# Altium PCB testjig-v1.PCBDOC (part 1 of 3) (continued)
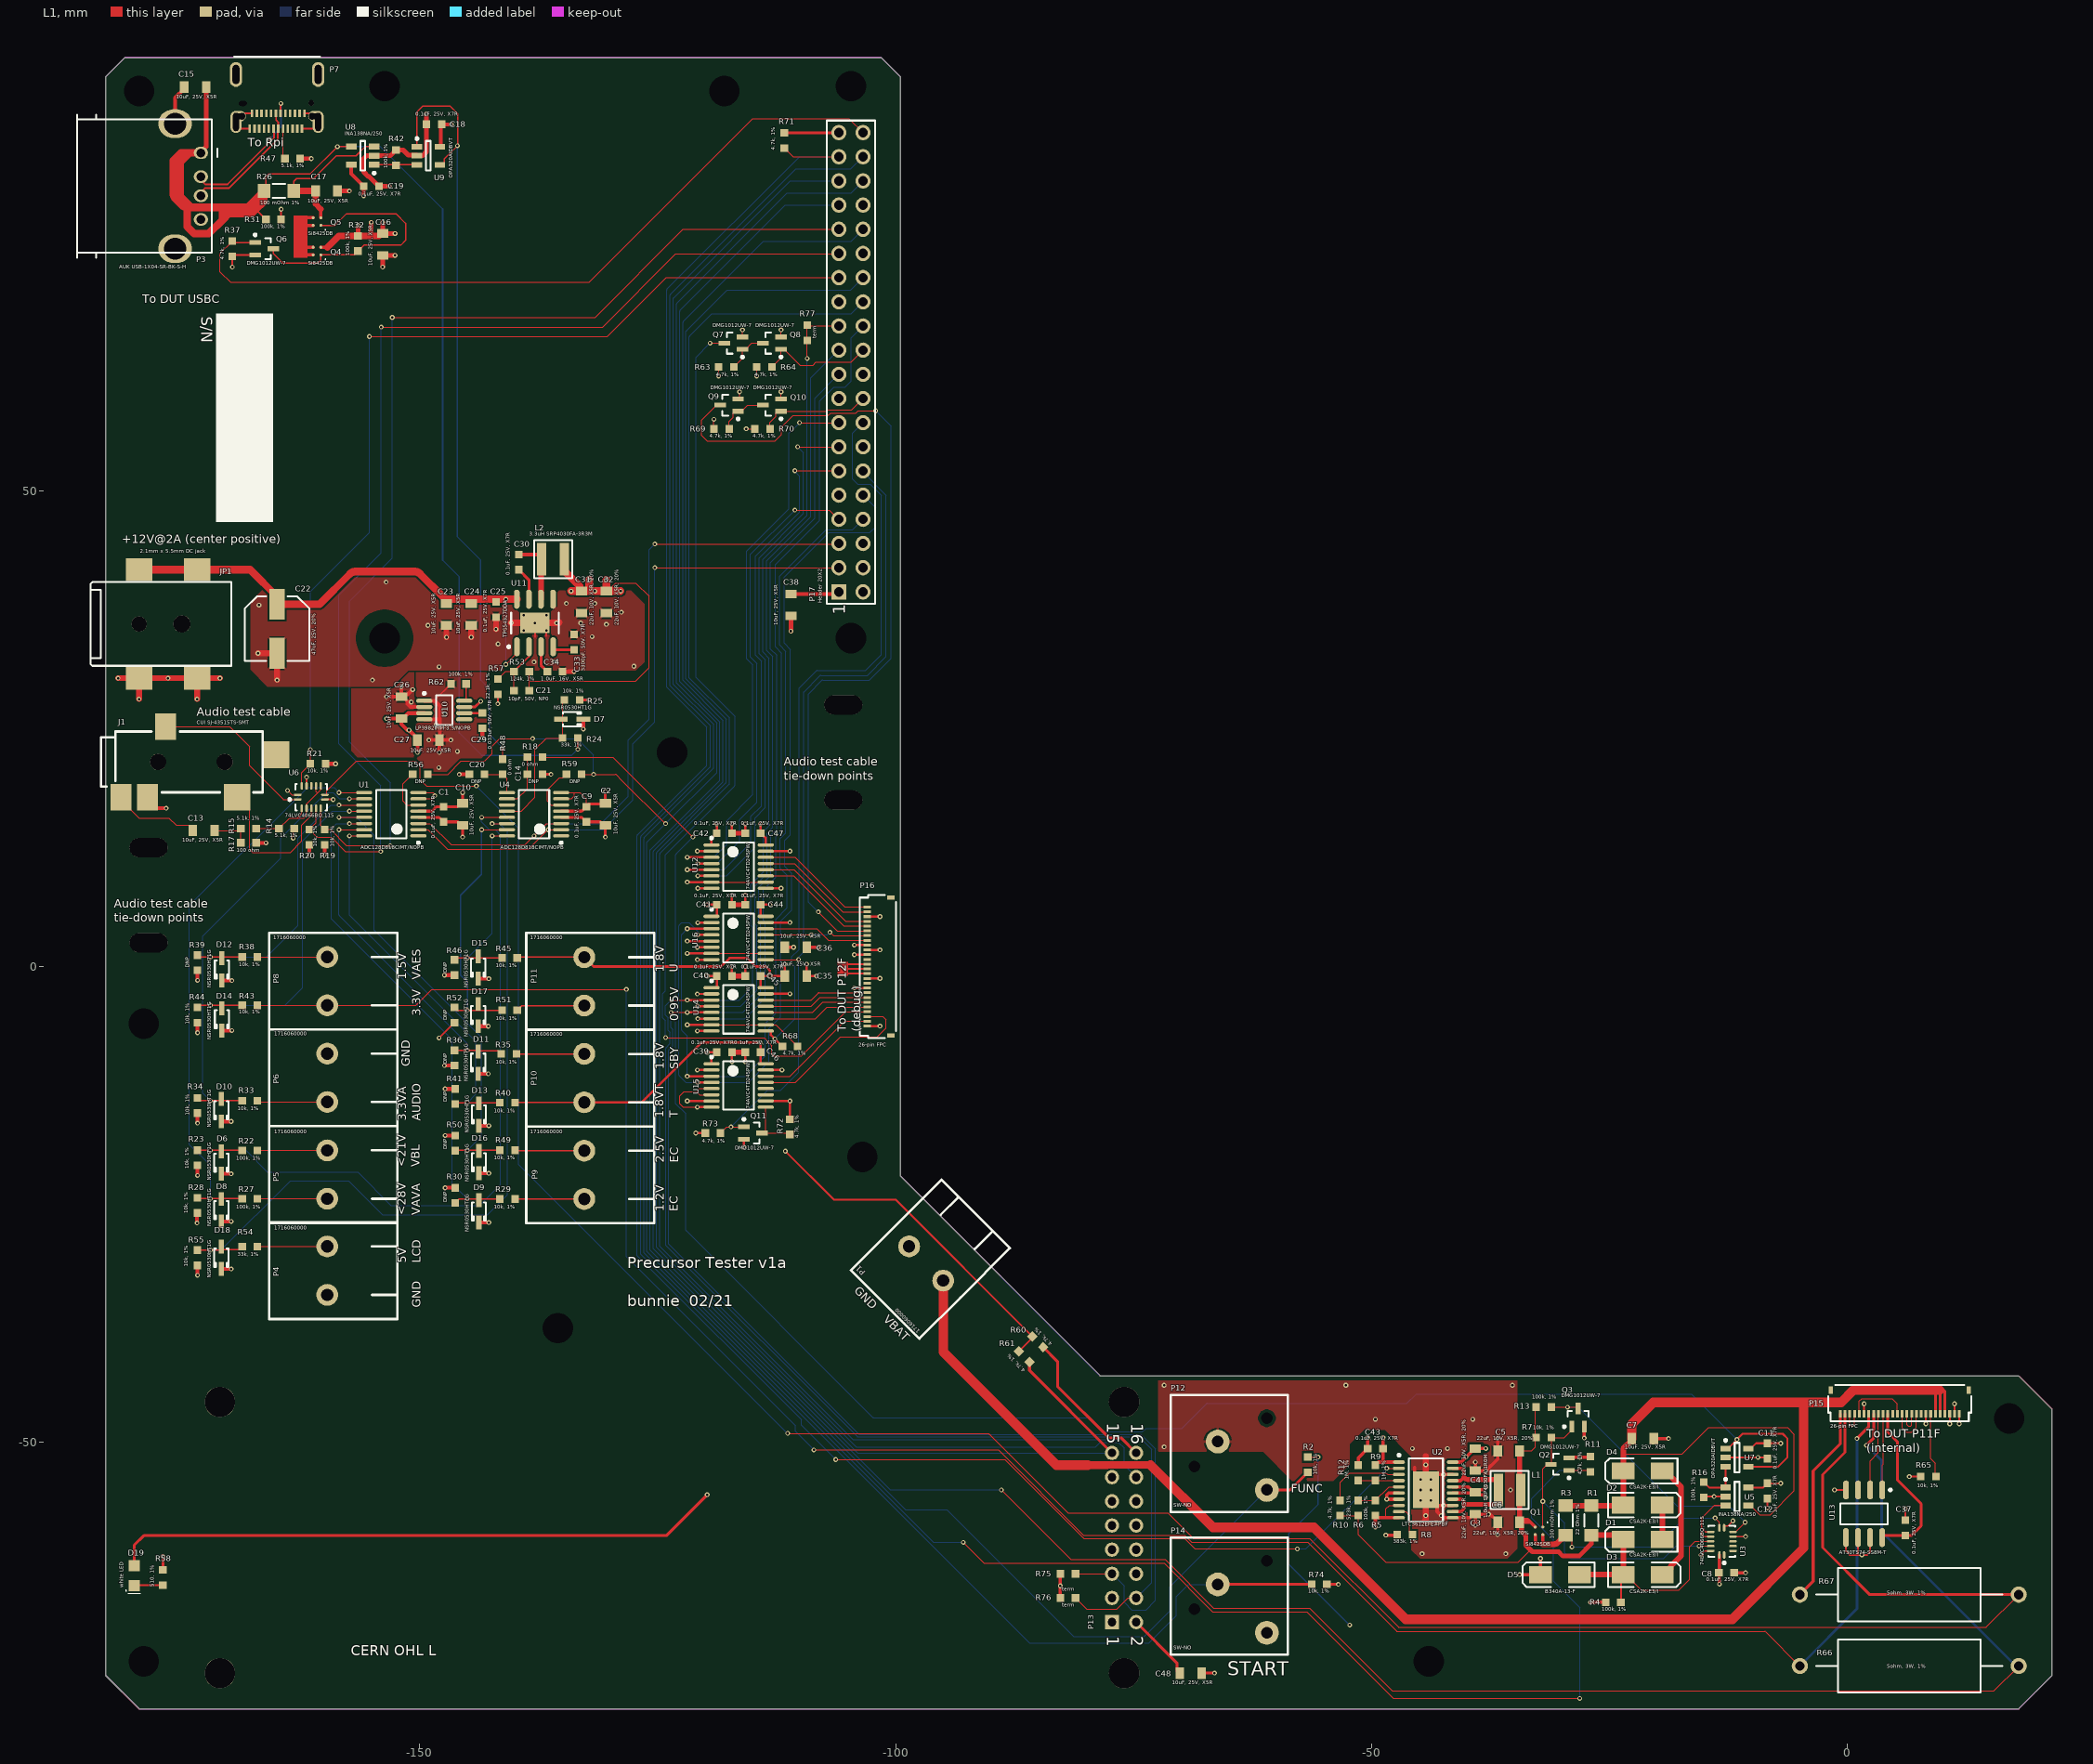
[diagram p0: L1 view]
## Components (designator, comment, footprint, x,y, rotation, side; value= is the part's Value field where it differs from the comment) (continued)
R62 "100k, 1%" B_RES0603 -145.93,29.7 r180 top
R63 "4.7k, 1%" B_RES0603 -117.8,63 r180 top
R64 "4.7k, 1%" B_RES0603 -113.8,63 r180 top
R65 "10k, 1%" B_RES0603 8.5,-53.6 r0 top
R66 "5ohm, 3W, 1%" OHMITE_43_3W -5,-73.5 r0 top
R67 "5ohm, 3W, 1%" OHMITE_43_3W -5,-66 r0 top
R68 "4.7k, 1%" B_RES0603 -111.1,-8.4 r0 top
R69 "4.7k, 1%" B_RES0603 -118.3,56.5 r180 top
R70 "4.7k, 1%" B_RES0603 -114,56.5 r180 top
R71 "4.7k, 1%" B_RES0603 -111.7,86.8 r270 top
R72 "4.7k, 1%" B_RES0603 -111.125,-16.85 r90 top
R73 "4.7k, 1%" B_RES0603 -119.2,-17.5 r180 top
R74 "10k, 1%" B_RES0603 -55.5,-64.92 r0 top
R75 "DNP" B_RES0603 -81.9,-63.81 r0 top
R76 "DNP" B_RES0603 -81.9,-66.35 r0 top
R77 "DNP" B_RES0603 -109.3,66.6 r90 top
U1 "ADC128D818CIMT/NOPB" MTC16_N -153,16 r180 top
U2 "LTC3612EFE#PBF" LT-FE-20-EPV-CB_L -44.3,-55 r0 top
U3 "74LVC4066BQ,115" NXP_DHVQFN14 -13.2,-60.4 r180 top
U4 "ADC128D818CIMT/NOPB" MTC16_N -138,16 r180 top
U5 "INA138NA/250" SOT23-5AN -11.6,-55.7 r0 top
U6 "74LVC4066BQ,115" NXP_DHVQFN14 -161.4,17.8 r90 top
U7 "OPA320AIDBVT" TI-DBV5_N -11.6,-51.6 r0 top
U8 "INA138NA/250" SOT23-5AN -156,85.2 r180 top
U9 "OPA320AIDBVT" TI-DBV5_N -149.1,85.2 r0 top
U10 "LP3982IMM-3.3/NOPB" MUA08A_N -147.43,26.95 r0 top
U11 "TPS54327DDA" SOIC127P600-8DN -137.9,36.1 r90 top
U12 "74AVC4TD245PW" TSOP65P640-16AN -116.5,10.5 r0 top
U13 "AT30TS74-SS8M-T" SOIC127P600-8AN 1.75,-57.5 r270 top
U14 "74AVC4TD245PW" TSOP65P640-16AN -116.5,-4.5 r0 top
U15 "74AVC4TD245PW" TSOP65P640-16AN -116.5,-12.5 r0 top
U16 "74AVC4TD245PW" TSOP65P640-16AN -116.5,3 r0 top

## Footprints (in the part's own frame and the unit in brackets; to place one, negate y for a bottom-side part, rotate by r counter-clockwise, add the part's x,y. Pads: shape width x height; smd on the part's side, far side on the other; paste and mask are expansions set on the pad)
B_CAP0603 [mm] "Capacitor 0603"
  rect 0.8x0.8 smd mask+0.07: 1(-0.8,0) 2(0.8,0)
  body extent -0.85,-0.45 0.85,0.45, height 0.9
B_CAP0805 [mm] "Capacitor 0805"
  rect 0.9x1.2 smd: 1(-1.15,0) 2(1.15,0)
  body extent -1.1,-0.7 1.1,0.7, height 0.6
B_LED0805 [mm] "Molded Diode, 2-Leads, Body 2.00x1.25mm, IPC Medium Density"
  rect 1.2x1.2 smd mask+0.07: 1(1.05,0) 2(-1.05,0)
  silkscreen extent -1.85,-0.65 -1.53,0.92, body extent -1,-0.63 1,0.63, height 0.8
B_RES0603 [mm] "Resistor 0603"
  rect 0.8x0.8 smd mask+0.07: 1(-0.8,0) 2(0.8,0)
  body extent -0.85,-0.45 0.85,0.45, height 0.9
B_RES1206 [mm]
  rect 1.3x1.5 smd mask+0.07: 1(-1.55,0) 2(1.55,0)
  silkscreen extent -0.67,-0.72 0.67,0.72, body extent -1.6,-0.8 1.6,0.8, height 0.6
CAPAE7066X61N [mm] "Aluminum Electrolytic Capacitor, Body 6.3mm dia, 5.8mm height, IPC Medium Density"
  rect 3.25x1.65 smd: 1(-2.575,0) 2(2.575,0)
  silkscreen extent -3.4,-3.4 3.4,3.4, body extent -3.4,-3.4 3.4,3.4, height 6.1
CK_KS11R22CQD [mm] "CK_PUSH_SPST_NO"
  round 1 hole 1.22 unplated mask+0.5: 0(-7.62,2.46) 0(0,7.54)
  round 2.5 hole 1.22 mask+0.5: 1(0,0) 3(-5.16,5.08)
  silkscreen extent -10.11,-2.32 2.19,9.98, body extent -10.1,-2.3 2.2,10, height 9.86
COILCRAFT_XEL4030 [mm] "Coilcraft XEL4030"
  rect 0.98x3.4 smd: 1(-1.185,0) 2(1.185,0)
  silkscreen extent -2,-2 2,2, body extent -2,-2 2,2, height 3.1
CUI_PJ_002AH_SMT [mm] "SMT 2.1mmx5.5mm ID (P-5) connector"
  round 1.6 hole 1.6 unplated: 0(-4.5,0)
  round 1.8 hole 1.8 unplated: 0(0,0)
  rect 2.8x2.4 smd: 1(-4.5,5.7) 1(1.6,5.7) 2(-4.5,-5.7) 3(1.6,-5.7)
  silkscreen extent -9.6,-4.4 5.2,4.4, body extent -9.5,-6.3 5.3,6.3, height 11.19
CUI_SJ_43515TS-SMT [mm] "stereo audio jack plus video, SMT with switch"
  round 1.7 hole 1.7 unplated: 0(-7,0) 0(0,0)
  rect 2.8x2.8 smd: 1(-8.3,3.7) 2(-12.4,-0.75)
  rect 2.2x2.8 smd: 3(-0.8,-3.7) 4(3.9,3.7) 5(1.1,3.7)
  silkscreen extent -11,-3.2 6,3.2, body extent -13,-4.5 6.2,4.5, height 5.1
DSO-C2/X1.8 [mm] "DO-214-AC/SMA; 2 C-Bend Leads; Body 5 x 2.7 mm, inc. leads (LxW)"
  rect 2.4x1.8 smd: 1(-2.05,0) 2(2.05,0)
  silkscreen extent -3.65,-1.3 3.95,1.3
ER_OLED_M032_1 [mm] "OLED module, direct board mount"
  round 3.2 hole 3.2 mask+0.5: 0(-95,14.25) 0(-95,-14.25) 0(0,-14.25) 0(0,14.25)
  rect 1.5x1.5 hole 0.9: 1(-1.27,-8.89)
  round 1.5 hole 0.9: 2(1.27,-8.89) 3(-1.27,-6.35) 4(1.27,-6.35) 5(-1.27,-3.81) 6(1.27,-3.81) 7(-1.27,-1.27) 8(1.27,-1.27) 9(-1.27,1.27) 10(1.27,1.27) 11(-1.27,3.81) 12(1.27,3.81) 13(-1.27,6.35) 14(1.27,6.35) 15(-1.27,8.89) 16(1.27,8.89)
  body extent -97.49,-16.99 3.01,16.51, height 15
HIROSE_CX90B1-24P [mm] "USB Type C Top-mount Right Angle Double-Row SMT"
  oval 1.2x2.3 hole 0.6 slot 1.9 at 90 deg mask+0.07: 0(-4.32,2) 0(4.32,2)
  oval 1.3x2.6 hole 0.7 slot 2 at 90 deg mask+0.07: 0(-4.32,-2.985) 0(4.32,-2.985)
  rect 0.5x1.1 all layers, no hole mask+0.07: 0(-4.1,1.4) 0(4.1,1.4)
  round 0 hole 0.6 square mask+0.07: 0(-4,1.4) 0(4,1.4)
  round 1.1 all layers, no hole mask+0.07: 0(-3.82,1.4) 0(3.82,1.4)
  round 0 hole 0.6 slot 0.7 at 90 deg mask+0.07: 0(-3.67,1.4) 0(3.67,1.4)
  rect 0.27x0.9 smd mask+0.07: A1(-2.625,2.7) A2(-2.125,2.7) A3(-1.625,2.7) A4(-1.125,2.7) A5(-0.625,2.7) A6(-0.125,2.7) A7(0.375,2.7) A8(0.875,2.7) A9(1.375,2.7) A10(1.875,2.7) A11(2.375,2.7) A12(2.875,2.7)
  rect 0.27x0.8 smd mask+0.07: B1(2.625,1.1) B2(2.125,1.1) B3(1.625,1.1) B4(1.125,1.1) B5(0.625,1.1) B6(0.125,1.1) B7(-0.375,1.1) B8(-0.875,1.1) B9(-1.375,1.1) B10(-1.875,1.1) B11(-2.375,1.1) B12(-2.875,1.1)
  round 0.55 hole 0.6 unplated mask+0.07: P(-3.6,0)
  oval 0.8x0.45 hole 0.5 slot 0.85 at 0 deg unplated mask+0.07: P(3.6,0.065)
  silkscreen extent -4.5,-4.85 4.5,-4.85, body extent -4.47,-5.33 4.47,2.82, height 3.14
HRS_FH34SRJ-26S-0.5SH(50) [mm] "Top/bottom entry, back-lock 0.3mm thick FPC, 26 pins"
  rect 0.4x0.8 smd mask+0.07: 0(-7.25,-2.5) 0(7.25,-2.5)
  rect 0.3x0.8 smd mask+0.07: 1(6.25,0) 2(5.75,0) 3(5.25,0) 4(4.75,0) 5(4.25,0) 6(3.75,0) 7(3.25,0) 8(2.75,0) 9(2.25,0) 10(1.75,0) 11(1.25,0) 12(0.75,0) 13(0.25,0) 14(-0.25,0) 15(-0.75,0) 16(-1.25,0) 17(-1.75,0) 18(-2.25,0) 19(-2.75,0) 20(-3.25,0) 21(-3.75,0) 22(-4.25,0) 23(-4.75,0) 24(-5.25,0) 25(-5.75,0) 26(-6.25,0)
  silkscreen extent -7.5,-3.03 7.5,0.77, body extent -7.5,-3.02 7.5,0.78, height 1
LT-FE-20-EPV-CB_L [mm] "SOP, 20-Leads, Body 6.6x4.5mm, Pitch 0.65mm, Thermal Pad 3.86x2.74mm, IPC High Density"
  oval 1.25x0.35 smd: 1(-2.825,2.925) 2(-2.825,2.275) 3(-2.825,1.625) 4(-2.825,0.975) 5(-2.825,0.325) 6(-2.825,-0.325) 7(-2.825,-0.975) 8(-2.825,-1.625) 9(-2.825,-2.275) 10(-2.825,-2.925) 11(2.825,-2.925) 12(2.825,-2.275) 13(2.825,-1.625) 14(2.825,-0.975) 15(2.825,-0.325) 16(2.825,0.325) 17(2.825,0.975) 18(2.825,1.625) 19(2.825,2.275) 20(2.825,2.925)
  rect 2.74x3.86 smd: 21(0,0)
  silkscreen extent -2.95,-3.3 1.8,3.77, body extent -2.25,-3.3 2.25,3.3, height 1.2
MTC16_N [mm] "TSOP, 16-Leads, Body 5x4.4mm, Pitch 0.65mm, IPC Medium Density"
  oval 1.7x0.35 smd: 1(-2.85,2.275) 2(-2.85,1.625) 3(-2.85,0.975) 4(-2.85,0.325) 5(-2.85,-0.325) 6(-2.85,-0.975) 7(-2.85,-1.625) 8(-2.85,-2.275) 9(2.85,-2.275) 10(2.85,-1.625) 11(2.85,-0.975) 12(2.85,-0.325) 13(2.85,0.325) 14(2.85,0.975) 15(2.85,1.625) 16(2.85,2.275)
  silkscreen extent -2.98,-2.55 1.6,3.12, body extent -2.25,-2.55 2.25,2.55, height 1.1
MUA08A_N [mm] "TSOP, 8-Leads, Body 3x3mm, Pitch 0.65mm, IPC Medium Density"
  oval 1.7x0.45 smd: 1(-2.1,0.975) 2(-2.1,0.325) 3(-2.1,-0.325) 4(-2.1,-0.975) 5(2.1,-0.975) 6(2.1,-0.325) 7(2.1,0.325) 8(2.1,0.975)
  silkscreen extent -2.22,-1.55 0.85,1.87, body extent -1.55,-1.55 1.55,1.55, height 1.09
NXP_DHVQFN14 [mm]
  oval 0.25x0.8 smd mask+0.07: 1(-0.25,1.425) 7(-0.25,-1.425) 8(0.25,-1.425) 14(0.25,1.425)
  oval 0.8x0.25 smd mask+0.07: 2(-1.175,1) 3(-1.175,0.5) 4(-1.175,0) 5(-1.175,-0.5) 6(-1.175,-1) 9(1.175,-1) 10(1.175,-0.5) 11(1.175,0) 12(1.175,0.5) 13(1.175,1)
  silkscreen extent -1.4,-1.65 1.4,2.4, body extent -1.25,-1.5 1.25,1.5, height 1
OHMITE_43_3W [mm]
  round 1.7 hole 1: 1(0,0) 2(23,0)
  silkscreen extent 1.7,-2.8 21.3,2.8
SAMTEC_SSW-120-01-F-D [mm] "2x20 2.54mm female header with standard solder tails"
  rect 1.6x1.6 hole 1: 1(0,2.54)
  round 1.6 hole 1: 2(0,0) 3(2.54,2.54) 4(2.54,0) 5(5.08,2.54) 6(5.08,0) 7(7.62,2.54) 8(7.62,0) 9(10.16,2.54) 10(10.16,0) 11(12.7,2.54) 12(12.7,0) 13(15.24,2.54) 14(15.24,0) 15(17.78,2.54) 16(17.78,0) 17(20.32,2.54) 18(20.32,0) 19(22.86,2.54) 20(22.86,0) 21(25.4,2.54) 22(25.4,0) 23(27.94,2.54) 24(27.94,0) 25(30.48,2.54) 26(30.48,0) 27(33.02,2.54) 28(33.02,0) 29(35.56,2.54) 30(35.56,0) 31(38.1,2.54) 32(38.1,0) 33(40.64,2.54) 34(40.64,0) 35(43.18,2.54) 36(43.18,0) 37(45.72,2.54) 38(45.72,0) 39(48.26,2.54) 40(48.26,0)
  silkscreen extent -1.27,-1.27 49.53,3.81, body extent -1.53,-1.2 49.78,3.75, height 8.51
SOD-323 [mm] "SOD-323/SC-76; 2 Leads; Body 1.7 x 1.3 mm, (LxW)"
  rect 1.45x0.55 smd: 1(1.175,0) 2(-1.175,0)
  silkscreen extent -0.95,-0.75 0.95,0.75
SOIC127P600-8AN [mm] "SOIC, 8-Leads, Body 4.9x3.9mm, Pitch 1.27mm, IPC Medium Density"
  oval 2x0.6 smd: 1(-2.5,1.905) 2(-2.5,0.635) 3(-2.5,-0.635) 4(-2.5,-1.905) 5(2.5,-1.905) 6(2.5,-0.635) 7(2.5,0.635) 8(2.5,1.905)
  silkscreen extent -2.62,-2.5 1.1,2.88, body extent -2,-2.5 2,2.5, height 2.72
SOIC127P600-8DN [mm] "8-Pin Small Outline Integrated Circuit 1.27 mm Pitch"
  oval 2x0.6 smd: 1(-2.5,1.905) 2(-2.5,0.635) 3(-2.5,-0.635) 4(-2.5,-1.905) 5(2.5,-1.905) 6(2.5,-0.635) 7(2.5,0.635) 8(2.5,1.905)
  rect 2.15x3.05 smd: 9(0,0)
  silkscreen extent -2.62,-2.5 1.1,2.88, body extent -2,-2.5 2,2.5, height 1.55
SOT23-5AN [mm] "SOT23, 5-Leads, Body 2.9x1.6mm, Pitch 0.95mm, Lead Span 2.8mm, IPC Medium Density"
  rect 1.1x0.65 smd mask+0.075: 1(-1.2,0.95) 2(-1.2,0) 3(-1.2,-0.95) 4(1.2,-0.95) 5(1.2,0.95)
  silkscreen extent -1.32,-1.55 0.25,1.95, body extent -0.9,-1.55 0.9,1.55, height 1.45
SOT323-3AN [mm] "SOT323, 3-Leads, Body 2.0x1.3mm, Pitch 0.65mm, Lead Span 2.1mm, IPC Medium Density"
  rect 1.2x0.5 smd: 1(-0.95,0.65) 2(-0.95,-0.65) 3(0.95,0)
  silkscreen extent -1.07,-1.1 0.7,1.57, body extent -0.7,-1.1 0.7,1.1, height 1
TI-DBV5_N [mm] "SOT23, 5-Leads, Body 2.9x1.6mm, Pitch 0.95mm, IPC Medium Density"
  rect 1.1x0.6 smd: 1(-1.2,0.95) 2(-1.2,0) 3(-1.2,-0.95) 4(1.2,-0.95) 5(1.2,0.95)
  silkscreen extent -1.32,-1.55 0.25,1.92, body extent -0.87,-1.52 0.87,1.53, height 1.45
TSOP65P640-16AN [mm] "TSOP, 16-Leads, Body 5x4.4mm, Pitch 0.65mm, IPC Medium Density"
  oval 1.7x0.35 smd: 1(-2.85,2.275) 2(-2.85,1.625) 3(-2.85,0.975) 4(-2.85,0.325) 5(-2.85,-0.325) 6(-2.85,-0.975) 7(-2.85,-1.625) 8(-2.85,-2.275) 9(2.85,-2.275) 10(2.85,-1.625) 11(2.85,-0.975) 12(2.85,-0.325) 13(2.85,0.325) 14(2.85,0.975) 15(2.85,1.625) 16(2.85,2.275)
  silkscreen extent -2.97,-2.55 1.6,3.12, body extent -2.25,-2.55 2.25,2.55, height 1.1
USB_TYPEA_TH_SINGLE [mm] "USB Type A Female Through Hole, Right Angle"
  oval 3x3.5 hole 2.3 mask+0.07: 0(-6.57,-2.71) 0(6.57,-2.71)
  oval 1.3x1.5 hole 0.92 mask+0.07: 1(-3.5,0) 2(-1,0) 3(1,0) 4(3.5,0)
  silkscreen extent -7.5,-13 7.5,1.73, body extent -8.12,-13 8.12,1, height 7.65
VISHAY_MICRO_FOOT_4_BUMP [mm] "BGA, 4-Leads, Body 1.56x1.56mmx0.60mm, Pitch 0.80mm"
  round 0.31 smd mask+0.07: 1(-0.4,0.4) 2(0.4,0.4) 3(0.4,-0.4) 4(-0.4,-0.4)
  silkscreen extent -0.93,0.84 -0.84,0.93, body extent -0.78,-0.78 0.78,0.78, height 0.6
weidmuller_1716060000 [mil]
  round 90 hole 51.18: 1(0,0) 2(200,0)
  silkscreen extent -100,-290 300,240

## Part data
C1 C8 C9 C11 C12 C18 C19 C25 C30 C37 C39 C40 C41 C42 C43 C44 C45 C46 C47: library part "Cap Semi", "Capacitor (Semiconductor SIM Model)", MPN=CC0603KRX7R8BB104, MYPN=C-104-25-X7R-0603, VENDOR=Murata
C2 C7 C10 C13 C15 C16 C17 C23 C24 C26 C27 C35 C36 C38 C48: library part "Cap Semi", "Capacitor (Semiconductor SIM Model)", MPN=GRM21BR61E106KA73L, MYPN=C-106-25-X5R-0805, VENDOR=Murata
C3 C4 C5 C6 C31 C32: library part "Cap Semi", "Capacitor (Semiconductor SIM Model)", MPN=GRM21BR61A226ME51L, LatestRevisionDate=17-Jul-2002, LatestRevisionNote="Re-released for DXP Platform.", MFG=Murata, MYPN=C-226-10-X5R-0805, PackageReference=C1206, Published=8-Jun-2000, Publisher="Altium Limited"
C14 C20: library part "Cap Semi", "Capacitor (Semiconductor SIM Model)", MPN=DNP, MYPN=DNP, VENDOR=None
C21: library part "Cap Semi", "Capacitor (Semiconductor SIM Model)", MPN=CL10C100JB8NFNC, MYPN=C-100-50-NP0-0603, VENDOR=Samsung
C22: library part "Cap Pol1", "Polarized Capacitor (Radial)", MPN=UCL1E470MCL1GS, MYPN=C-476-25-UCL-6.3x5.8, VENDOR=Nichicon
C29: library part "Cap Semi", "Capacitor (Semiconductor SIM Model)", MPN=CL10B333KB8NNNC, MYPN=C-333-50-X7R-0603, VENDOR=Samsung
C33: library part "Cap Semi", "Capacitor (Semiconductor SIM Model)", MPN=CL10B332KB8NNNC, MYPN=C-332-50-X7R-0603, VENDOR=Samsung
C34: library part "Cap Semi", "Capacitor (Semiconductor SIM Model)", MPN=CL10B105MO8NNWC, MYPN=C-105-16-X5R-0603, VENDOR=Samsung
D1 D2 D3 D4 D5: library part "D Schottky", "Schottky Diode", Revision="July-2002: Re-released for DXP Platform."
  D1 D2 D3 D4: MPN=CSA2K-E3/I, MYPN=D-S-2-800-0p9-SMA, VENDOR=Vishay
  D5: MPN=B340A-13-F, MYPN=D-S-3-40-0p5-SMA, VENDOR="Diodes Inc"
D6 D7 D8 D9 D10 D11 D12 D13 D14 D15 D16 D17 D18: library part "D Schottky", "Schottky Diode", MPN=NSR0530H-D, MYPN=D-S-0p5-30-0p37-SOD323, Revision="July-2002: Re-released for DXP Platform.", VENDOR="Semtech HK LTD"
D19: library part LED2, "Typical RED, GREEN, YELLOW, AMBER GaAs LED", MPN=IN-S85AT5UW, MYPN=D-LED-WHITE1-0805, VENDOR=Inolux
J1: library part "Phonejack4 TN", "Jack Socket, 3.5mm, SMT, 4-conductor", MPN=SJ-43515TS-SMT, PackageDocument=2003, ComponentLink1Description="Manufacturer Link", ComponentLink1URL=http://www.cliffuk.co.uk/, DatasheetDocument=2003, DrillAndSlotSize="Corresponds to nominal value.", MYPN=SJ-43515TS-SMT, PackageReference=S1VS_SSB, PCB_Layout="Complies with manufacturer's recommendation.", Published=15-Jul-2004, Publisher="Altium Limited", VENDOR=CUI
JP1: library part PWR2.5, "Low Voltage Power Supply Connector", MPN=DC-480-2.0A-SMT, Datasheet="Latest Revision: 09-May-2002", MYPN=J-PJ-002AH-SMT-TR, Published=17-Dec-2003, Publisher="Altium Limited", VENDOR=KAWEEI
L1: library part "Inductor Iron", "Magnetic-Core Inductor", MPN=SRP4030FA-1R0M, MYPN=L-XEL4030-332ME_, VENDOR="Bourns, Inc"
L2: library part "Inductor Iron", "Magnetic-Core Inductor", MPN=XEL4030-332ME_, MYPN=L-XEL4030-332ME_, VENDOR=COILCRAFT
P1 P4 P5 P6 P8 P9 P10 P11 P12 P14: library part "Header 2", "Header, 2-Pin", LatestRevisionDate=17-Jul-2002, LatestRevisionNote="Re-released for DXP Platform.", Publisher="Altium Limited"
  P1 P4 P5 P6 P8 P9 P10 P11: MPN=1716060000, MYPN=J-TB-2P-5.08, VENDOR=Weidmuller
P3: library part "Header 4", "Header, 4-Pin", LatestRevisionDate=17-Jul-2002, LatestRevisionNote="Re-released for DXP Platform.", Publisher="Altium Limited"
P7: library part USB_TYPE_C, "USB Type C Connector", MPN=1-2295018-2, MYPN=P-1-2295018-2, VENDOR="TE Connectivity AMP Connectors"
P13: library part "Header 8X2", "Header, 8-Pin, Dual row, shrouded", MPN=PRPC008DAAN-RC, LatestRevisionDate=17-Jul-2002, LatestRevisionNote="Re-released for DXP Platform.", MYPN=J-2.54MM-2x8-M-SHROUDED-RA, Publisher="Altium Limited", VENDOR=Sullins
P15 P16: library part FPC-26, "26 Pin FPC header", MPN=FH34SRJ-26S-0.5SH(99), MYPN=J-FPC-0.5mm-26-0.3mm-T/B, VENDOR=Hirose
  P15: System=Connector
P17: "Header, 20-Pin, Dual row", MPN=P-SSW-120-01-F-D, LatestRevisionDate=17-Jul-2002, LatestRevisionNote="Re-released for DXP Platform.", Publisher="Altium Limited", VENDOR=Samtec
Q1 Q4 Q5: "P-channel 20V 6.2A 27mOhm @ -2.5V", MPN=Si8425DB-T1-E1, MYPN=QSi8525, VENDOR="Vishay Siliconix"
Q2 Q3 Q6 Q7 Q8 Q9 Q10 Q11: library part MOSFET-N, "N-Channel MOSFET", LatestRevisionDate=17-Jul-2002, LatestRevisionNote="Re-released for DXP Platform.", MPN=DMG1012UW-7, MYPN=Q-DMG1012UW-7, PackageReference=E3, PackageVersion=1995/1996, Published=8-Jun-2000, Publisher="Altium Limited", VENDOR="Diodes Inc"
R1: library part Res1, "Resistor", MPN=ERJ-8ENF22R0V, MYPN=R-220-1P-1_4W-1206, VENDOR=Panasonic
R2 R7 R19 R20 R21 R23 R25 R28 R29 R33 R34 R35 R38 R40 R43 R44 R45 R49 R51 R55 R65 R74: library part Res1, "Resistor", MPN=RC0603FR-0710KL, MYPN=R-103-1P-1_16W-0603, VENDOR=Yageo
R3 R26: library part Res1, "Resistor", MPN=CSR1206FTR100, MYPN=R-0R100-1P-1_2W-1206, VENDOR=Stackpole
R4 R5 R13 R16 R22 R27 R31 R32 R42 R62: library part Res1, "Resistor", MPN=RC0603FR-07100KL, MYPN=R-104-1P-1_16W-0603, VENDOR=Yageo
R6: library part Res1, "Resistor", MPN=RC0603FR-07523KL, MYPN=R-5233-1P-1_16W-0603, VENDOR=Yageo
R8: library part Res1, "Resistor", MPN=RC0603FR-07383KL, MYPN=R-3833-1P-1_16W-0402, VENDOR=Yageo
R9 R12: library part Res1, "Resistor", MPN=RC0603FR-071ML, MYPN=R-105-1P-1_16W-0603, VENDOR=Yageo
R10 R11 R37 R60 R61 R63 R64 R68 R69 R70 R71 R72 R73: library part Res1, "Resistor", MPN=RC0603FR-074K7L, MYPN=R-472-1P-1_16W-0603, VENDOR=Yageo
R14 R15 R47: library part Res1, "Resistor", MPN=RC0603FR-075K1L, MYPN=R-512-1P-1_16W-0603, VENDOR=Yageo
R17: library part Res1, "Resistor", MPN=RC0603FR-07100RL, MYPN=R-101-1P-1_16W-0603, VENDOR=Yageo
R18 R48: library part Res1, "Resistor", MPN=RC0603JR-070RL, MYPN=R-0R0-1P-1_16W-0603, VENDOR=Yageo
R24 R54: library part Res1, "Resistor", MPN=RC0603FR-0733KL, MYPN=R-333-1P-1_16W-0603, VENDOR=Yageo
R30 R36 R39 R41 R46 R50 R52 R56 R59 R75 R76 R77: library part Res1, "Resistor", MPN=ANY, MYPN=DNP, VENDOR=ANY
R53: library part Res1, "Resistor", MPN=RC0603FR-07124KL, MYPN=R-1243-1P-1_16W-0603, VENDOR=Yageo
R57: library part Res1, "Resistor", MPN=RC0603FR-0722K1L, MYPN=R-2212-1P-1_16W-0603, VENDOR=Yageo
R58: library part Res1, "Resistor", MPN=RC0603FR-07510RL, LatestRevisionDate=17-Jul-2002, LatestRevisionNote="Re-released for DXP Platform.", MYPN=R-511-1P-1_16W-0603, PackageReference=AXIAL-0.3, Published=8-Jun-2000, Publisher="Altium Limited", VENDOR=Yageo
R66 R67: library part Res1, "Resistor", MPN=43F5R0E, MYPN=R-5R0-1P-3W-AXIAL15, VENDOR=Ohmite
U1 U4: "12-Bit, 8-Channel, ADC System Monitor with Temperature Sensor, Internal/External Reference, and I2C Interface, 16 pin TSSOP, Pb-Free", Manufacturer="National Semiconductor", PackageTopMarking=NSUZXYTT*128D818*CIMT, PowerWise=N, Code_JEDEC=MO-153-AB, ComponentLink1Description="ADC128D818 Datasheet", ComponentLink1URL=http://www.national.com/ds/AD/ADC128D818.pdf, ComponentLink2Description="ADC128D818 Web Page", ComponentLink2URL=http://www.national.com/pf/AD/ADC128D818.html, ComponentLink3Description="MTC16 Package Page", ComponentLink3URL=http://www.national.com/packaging/folders/mtc16.html, CompType="ADC IC", DatasheetVersion=Feb-2010, High-Reliability=Y, MPN=ADC128D818CIMT/NOPB, MYPN=U-ADC128D818CIMT/NOPB, PackageDescription="Molded TSSOP, Jedec, 5 x 4.4 x 0.9mm Body, 16 Lead, 0.65mm Pitch", PackageReference=MTC16, PackageVersion="revD, Jun-2003", PartNumber=ADC128D818CIMT/NOPB, PinCount=16, RoHS=Y, VENDOR=TI
U2: library part CMP-0492-00542-1, "3 A, 4 MHz Monolithic Synchronous Step-Down DC/DC Converter, 20-pin SOP (FE-20-EPV-CB), -40 to 125 degC, Pb-Free", Frequency Adjust Range="Up - 4MHz", ComponentLink1Description="Manufacturer URL", ComponentLink1URL=http://www.linear.com/, ComponentLink2Description=Datasheet, ComponentLink2URL=http://cds.linear.com/docs/en/datasheet/3612fa.pdf, ComponentLink3Description="Package Specification", ComponentLink3URL=http://cds.linear.com/docs/en/packaging/05081663__J_FE20(CB).pdf, DatasheetVersion="Rev. A", Mounting Technology="Surface Mount", MPN=LTC3612EFE#PBF, Number of Outputs=1, PackageDescription="20-Pin Plastic TSSOP, Body 6.5 x 4.4 mm, Pitch 0.65 mm", PackageReference=FE-20, PackageVersion="Rev. I, 05/2011", RoHS=TRUE, VENDOR="Linear Technology"
U3 U6: library part 74LVC4066, "Quad Bilateral Switch", MPN=74LVC4066BQ,115, MYPN=U-74LVC4066, VENDOR=NXP
U5 U8: "High-side measurement current shunt monitor", MPN=INA138NA/250, MYPN=U-INA138NA/250, VENDOR=TI
U7 U9: "Precision, 20 MHz, 0.9 pA Ib, RRIO, CMOS Operational Amplifier, 1.8 to 5.5 V, -40 to 125 degC, 5-pin SOT23 (DBV5), Green (RoHS & no Sb/Br)", Manufacturer="Texas Instruments", Supplier Part Number 1=296-29510-2-ND, Total Supply Voltage(Max)(+5V is 5, +/-5V is 10)=5.5, Total Supply Voltage(Min)(+5V is 5, +/-5V is 10)=1.8, CMRR(Min)(dB)=100, Code_JEDEC=MO-178, ComponentLink1Description="Manufacturer URL", ComponentLink1URL=http://www.ti.com/, ComponentLink2Description=Datasheet, ComponentLink2URL=http://www.ti.com/general/docs/lit/getliterature.tsp?genericPartNumber=OPA320&fileType=pdf, ComponentLink3Description="Package Specification", ComponentLink3URL=http://www.ti.com/litv/pdf/mpds018i, DatasheetVersion=SBOS513D, Eco-Plan="Green (RoHS & no Sb/Br)", IIB(Max)(pA)=0.9, Iq per channel(Max)(mA)=1.75, Mounting Technology="Surface Mount", MPN=OPA320AIDBVT, MYPN=U-OPA320AIDBVT, Number of Channels=2, Offset Drift(Typ)(uV/C)=1.5, PackageDescription="5-Pin Plastic Small Outline, Body 1.6 x 2.9 mm, Pitch 0.95 mm", PackageReference=DBV5, PackageVersion="4073253-4/K, 03/2006", PartNumber=OPA320AIDBVT, Slew Rate(Typ)(V/us)=10, Sub Family="High Output Current Amplifier (>=50mA), Low Input Bias Current Amp (<=10pA), Low Noise Amp (<=10nV/rtHz), Low Offset Voltage Amplifier (<=500uV), Low Supply Voltage Amplifier (<=2.7V), Precision Amplifier", Supplier 1=Digi-Key, Supplier 2=Digi-Key, Supplier 3=Digi-Key, Supplier 4=Farnell, Supplier 5=Newark, Supplier 6=Newark, Supplier 7=Mouser, Supplier Part Number 2=296-29510-1-ND, Supplier Part Number 3=296-29510-6-ND, Supplier Part Number 4=2057093, Supplier Part Number 5=64T3763, Supplier Part Number 6=64T3764, Supplier Part Number 7=595-OPA320AIDBVT, VENDOR=TI, Vio (25C)(Max)(mV)=0.15, Vn at 1kHz(Typ)(nV/rtHz)=8.5
U10: "Micropower, Ultra Low-Dropout, Low-Noise, 300mA CMOS Regulator, 8-pin Mini SOIC, Pb-Free", Manufacturer="National Semiconductor", PackageTopMarking=ZXTT*LEUB, PowerWise=N, Code_JEDEC=MO-187-AA, ComponentLink1Description="Manufacturer URL", ComponentLink1URL=http://www.national.com/, ComponentLink2Description="LP3982 Datasheet", ComponentLink2URL=http://www.national.com/ds/LP/LP3982.pdf, ComponentLink3Description="LP3982 Web Page", ComponentLink3URL=http://www.national.com/pf/LP/LP3982.html, ComponentLink4Description="MUA08A Package Page", ComponentLink4URL=http://www.national.com/packaging/folders/mua08a.html, CompType="LDO IC", DatasheetVersion=Mar-2006, High-Reliability=Y, MPN=LP3982IMM-3.3/NOPB, MYPN=ULP3982IMM-3.3/NOPB, PackageDescription="MINI SOIC, .118 x .118 x .034in, 8 Lead, .0256in Pitch", PackageReference=MUA08A, PackageVersion="revF, Apr-2008", PartNumber=LP3982IMM-3.3/NOPB, PinCount=8, RoHS=Y, VENDOR=TI
U11: "3-A Output Single Synchronous Step-Down Buck with Integrated FET", MPN=TPS54327DDA(R), MYPN=U-TPS54327DDA, VENDOR=TI
U12 U14 U15 U16: library part 74AVC4TD245, "4-bit dual supply translating transceiver with configurable voltage translation; 3-state", MPN=74AVC4TD245PW, MYPN=U-74AVC4TD245PW, VENDOR=Nexperia
U13: "9- to 12-bit Selectable, ±1.0°C Accurate Digital Temperature Sensor", MPN=AT30TS74-SS8M-T, MYPN=U-AT30TS74-SS8M-T, VENDOR=Atmel

## Free pads (board coordinates)
  round 2.5 hole 3.2 unplated mask+1.5: 0(-179.5,92) 0(-179,-73) 0(-179,-6) 0(-153.7,34.5) 0(-135.5,-38) 0(-123.5,22.5) 0(-118,92) 0(-104.7,34.5) 0(-104.7,92.5) 0(-103.5,-20) 0(-44,-73) 0(17,-47.5)
  round 2.5 hole 3.2 unplated mask+1.3: 0(-153.7,92.5)
  rect 0.8x0.4 on Mech2 mask+0.07: 0(-63.9,-7.25) 0(-63.9,7.25) 0(-23.6,-12.75) 0(-23.6,-9.25) 0(-23.3,-3.25) 0(-23.3,3.25) 0(-12.975,9.75) 0(-12.975,24.25)
  round 1.5 on Mech2 mask+0.4: 0(-50.5,24.5)
  rect 0.35x0.66 on Mech2 mask+0.04: 0(-46.26,18.145) 0(-46.26,20.855) 0(-39.74,20.855) 0(-39.74,18.145)
  round 0.8 on Mech2 mask+0.07: 0(-43.975,-29.9) 0(-42.025,-29.9) TP(-41.46,5.962)
  round 2 on Mech2 mask+0.3: 0(-27,-6.4)
  round 4 on Mech2 mask+0.3: 0(-19.3,11)
  rect 0.35x1.4 on Mech2 mask+0.05: 0(-9.775,29.58) 0(-3.725,29.58)
  rect 0.5x0.35 on Mech2 mask+0.05: 0(-9.3,28.205) 0(-9.3,30.955) 0(-4.2,28.205) 0(-4.2,30.955)
  rect 2.54x0.051 on Top Overlay: 1(-163.144,-70.284) 1(-163.144,-70.03) 1(-163.144,-69.929) 1(-163.144,-70.234) 1(-163.144,-70.183) 1(-163.144,-70.132) 1(-163.144,-70.081) 1(-163.144,-69.878) 1(-163.144,-69.827) 1(-163.144,-69.776) 1(-163.144,-69.726) 1(-163.144,-69.98) 1(-163.042,-69.522) 1(-158.724,-69.522) 1(-158.622,-70.284) 1(-158.622,-69.929) 1(-158.622,-69.878) 1(-158.622,-69.827) 1(-158.622,-69.726) 1(-158.622,-70.183) 1(-158.622,-69.776) 1(-158.622,-70.335) 1(-158.622,-70.234) 1(-158.622,-70.132)
  rect 2.591x0.051 on Top Overlay: 1(-163.118,-70.437) 1(-163.118,-69.675) 1(-163.118,-70.386) 1(-163.118,-70.335) 1(-163.118,-69.624) 1(-163.067,-70.488) 1(-158.699,-70.488) 1(-158.648,-70.437) 1(-158.648,-69.675) 1(-158.648,-69.573) 1(-158.648,-70.386) 1(-158.648,-69.624)
  rect 2.642x0.051 on Top Overlay: 1(-163.093,-69.573)
  rect 0.102x0.051 on Top Overlay: 1(-163.042,-67.236) 1(-161.975,-72.469) 1(-159.791,-72.469) 1(-158.724,-67.236)
  rect 0.152x0.051 on Top Overlay: 1(-163.017,-72.774) 1(-158.749,-72.774)
  rect 0.254x0.051 on Top Overlay: 1(-163.017,-72.723) 1(-163.017,-67.287) 1(-162.001,-72.418) 1(-159.765,-72.418) 1(-158.749,-72.723) 1(-158.749,-67.287)
  rect 0.356x0.051 on Top Overlay: 1(-163.017,-67.338) 1(-162.051,-72.367) 1(-159.715,-72.367) 1(-158.749,-67.338) 1(-158.749,-72.672)
  rect 0.406x0.051 on Top Overlay: 1(-162.991,-72.672)
  rect 0.508x0.051 on Top Overlay: 1(-162.991,-72.621) 1(-162.991,-67.389) 1(-158.775,-72.621)
  rect 0.61x0.051 on Top Overlay: 1(-162.991,-67.44) 1(-158.775,-72.57) 1(-158.775,-67.44)
  rect 0.864x0.051 on Top Overlay: 1(-162.966,-72.469) 1(-162.966,-67.541) 1(-160.883,-66.474) 1(-158.8,-72.469) 1(-158.8,-67.541)
  rect 0.965x0.051 on Top Overlay: 1(-162.966,-67.592) 1(-160.883,-66.576) 1(-160.883,-66.525) 1(-160.883,-66.627) 1(-158.8,-67.592)
  rect 0.762x0.051 on Top Overlay: 1(-162.966,-67.49) 1(-162.966,-72.52) 1(-158.8,-72.52)
  rect 0.66x0.051 on Top Overlay: 1(-162.966,-72.57)
  rect 1.118x0.051 on Top Overlay: 1(-162.94,-72.367) 1(-162.94,-67.643) 1(-160.858,-66.982) 1(-158.826,-72.367) 1(-158.826,-67.643)
  rect 1.219x0.051 on Top Overlay: 1(-162.94,-67.694) 1(-160.858,-67.236) 1(-158.826,-67.694)
  rect 1.016x0.051 on Top Overlay: 1(-162.94,-72.418) 1(-160.858,-66.678) 1(-158.826,-72.418)
  rect 2.337x0.051 on Top Overlay: 1(-162.94,-70.538) 1(-159.588,-69.014) 1(-158.826,-70.538)
  rect 2.286x0.051 on Top Overlay: 1(-162.864,-69.472) 1(-162.153,-69.014) 1(-158.851,-69.472)
  rect 2.134x0.051 on Top Overlay: 1(-162.788,-70.589) 1(-162.28,-69.065) 1(-159.486,-69.065) 1(-158.978,-70.589)
  rect 1.93x0.051 on Top Overlay: 1(-162.737,-72.164) 1(-162.483,-70.792) 1(-162.432,-70.843) 1(-162.432,-69.167) 1(-162.331,-71.148) 1(-162.331,-71.097) 1(-159.435,-71.148) 1(-159.435,-71.097) 1(-159.334,-70.843) 1(-159.334,-69.167) 1(-159.029,-72.164)
  rect 2.032x0.051 on Top Overlay: 1(-162.737,-69.421) 1(-162.331,-71.046) 1(-162.331,-70.996) 1(-162.331,-70.945) 1(-159.435,-71.046) 1(-159.435,-70.996) 1(-159.384,-70.945) 1(-159.029,-69.421)
  rect 1.829x0.051 on Top Overlay: 1(-162.737,-72.215) 1(-162.636,-71.961) 1(-162.585,-69.37) 1(-162.585,-71.91) 1(-162.585,-71.859) 1(-162.534,-71.808) 1(-162.534,-70.742) 1(-162.534,-70.691) 1(-162.534,-69.319) 1(-162.483,-69.268) 1(-162.331,-71.3) 1(-162.331,-71.25) 1(-159.435,-71.3) 1(-159.435,-71.25) 1(-159.232,-70.742) 1(-159.232,-69.319) 1(-159.181,-69.37) 1(-159.181,-71.859) 1(-159.181,-70.691) 1(-159.13,-71.961) 1(-159.029,-72.215)
  rect 1.778x0.051 on Top Overlay: 1(-162.712,-72.266) 1(-162.509,-71.758) 1(-162.509,-71.707) 1(-162.458,-71.656) 1(-162.407,-71.554) 1(-159.359,-71.554) 1(-159.308,-71.656) 1(-159.257,-71.758) 1(-159.257,-71.707) 1(-159.207,-71.808) 1(-159.054,-72.266)
  rect 1.88x0.051 on Top Overlay: 1(-162.712,-72.113) 1(-162.661,-72.062) 1(-162.661,-72.012) 1(-162.61,-70.64) 1(-162.458,-69.218) 1(-162.305,-71.199) 1(-159.41,-71.199) 1(-159.308,-69.218) 1(-159.257,-70.792) 1(-159.257,-69.268) 1(-159.156,-70.64) 1(-159.156,-71.91) 1(-159.105,-72.012) 1(-159.054,-72.113) 1(-159.054,-72.062)
  rect 1.727x0.051 on Top Overlay: 1(-162.686,-72.316) 1(-162.432,-71.605) 1(-162.382,-71.504) 1(-162.331,-71.453) 1(-162.331,-71.402) 1(-162.331,-71.351) 1(-160.858,-67.541) 1(-159.435,-71.402) 1(-159.435,-71.351) 1(-159.384,-71.504) 1(-159.334,-71.605)
  rect 1.981x0.051 on Top Overlay: 1(-162.407,-70.894) 1(-162.356,-69.116) 1(-160.883,-67.592) 1(-159.41,-69.116) 1(-159.359,-70.894)
  rect 4.724x0.051 on Top Overlay: 1(-160.883,-68.811) 1(-160.883,-68.862) 1(-160.883,-68.506)
  rect 4.928x0.051 on Top Overlay: 1(-160.883,-68.354)
  rect 5.334x0.051 on Top Overlay: 1(-160.883,-68.049) 1(-160.883,-68.1)
  rect 1.27x0.051 on Top Overlay: 1(-160.883,-67.287) 1(-160.883,-67.44) 1(-160.883,-67.389) 1(-160.883,-67.338)
  rect 1.067x0.051 on Top Overlay: 1(-160.883,-66.932) 1(-160.883,-66.881) 1(-160.883,-66.83) 1(-160.883,-66.779) 1(-160.883,-66.728)
  rect 4.826x0.051 on Top Overlay: 1(-160.883,-68.964) 1(-160.883,-68.913) 1(-160.883,-68.456)
  rect 4.623x0.051 on Top Overlay: 1(-160.883,-68.76) 1(-160.883,-68.71) 1(-160.883,-68.659) 1(-160.883,-68.608)
  rect 5.029x0.051 on Top Overlay: 1(-160.883,-68.303)
  rect 5.131x0.051 on Top Overlay: 1(-160.883,-68.202)
  rect 5.436x0.051 on Top Overlay: 1(-160.883,-67.998) 1(-160.883,-67.744)
  rect 5.537x0.051 on Top Overlay: 1(-160.883,-67.948) 1(-160.883,-67.897) 1(-160.883,-67.795)
  rect 5.639x0.051 on Top Overlay: 1(-160.883,-67.846)
  rect 2.489x0.051 on Top Overlay: 1(-160.883,-67.694) 1(-158.597,-70.081) 1(-158.597,-70.03) 1(-158.597,-69.98)
  rect 2.184x0.051 on Top Overlay: 1(-160.883,-67.643)
  rect 1.473x0.051 on Top Overlay: 1(-160.883,-67.49)
  rect 1.168x0.051 on Top Overlay: 1(-160.883,-67.186) 1(-160.883,-67.135) 1(-160.883,-67.084) 1(-160.883,-67.033)
  rect 5.232x0.051 on Top Overlay: 1(-160.883,-68.151)
  rect 4.877x0.051 on Top Overlay: 1(-160.858,-68.405)
  rect 4.674x0.051 on Top Overlay: 1(-160.858,-68.557)
  rect 5.08x0.051 on Top Overlay: 1(-160.858,-68.252)
  rect 1.676x0.051 on Top Overlay: 1(-159.41,-71.453) 1(-159.054,-72.316)
  rect 0.711x0.051 on Top Overlay: 1(-158.775,-67.49)
  rect 0.457x0.051 on Top Overlay: 1(-158.749,-67.389)
  rect 0.8x0.3 on Mech2 mask+0.07: 1(-61.4,-6.25) 1(-26.1,-10.25) 1(-25.8,2.25) 1(-15.475,23.25) 2(-61.4,-5.75) 2(-26.1,-10.75) 2(-25.8,1.75) 2(-15.475,22.75) 3(-61.4,-5.25) 3(-26.1,-11.25) 3(-25.8,1.25) 3(-15.475,22.25) 4(-61.4,-4.75) 4(-26.1,-11.75) 4(-25.8,0.75) 4(-15.475,21.75) 5(-61.4,-4.25) 5(-25.8,0.25) 5(-15.475,21.25) 6(-61.4,-3.75) 6(-25.8,-0.25) 6(-15.475,20.75) 7(-61.4,-3.25) 7(-25.8,-0.75) 7(-15.475,20.25) 8(-61.4,-2.75) 8(-25.8,-1.25) 8(-15.475,19.75) 9(-61.4,-2.25) 9(-25.8,-1.75) 9(-15.475,19.25) 10(-61.4,-1.75) 10(-25.8,-2.25) 10(-15.475,18.75) 11(-61.4,-1.25) 11(-15.475,18.25) 12(-61.4,-0.75) 12(-15.475,17.75) 13(-61.4,-0.25) 13(-15.475,17.25) 14(-61.4,0.25) 14(-15.475,16.75) 15(-61.4,0.75) 15(-15.475,16.25) 16(-61.4,1.25) 16(-15.475,15.75) 17(-61.4,1.75) 17(-15.475,15.25) 18(-61.4,2.25) 18(-15.475,14.75) 19(-61.4,2.75) 19(-15.475,14.25) 20(-61.4,3.25) 20(-15.475,13.75) 21(-61.4,3.75) 21(-15.475,13.25) 22(-61.4,4.25) 22(-15.475,12.75) 23(-61.4,4.75) 23(-15.475,12.25) 24(-61.4,5.25) 24(-15.475,11.75) 25(-61.4,5.75) 25(-15.475,11.25) 26(-61.4,6.25) 26(-15.475,10.75)
  rect 0.23x0.66 on Mech2 mask+0.04: 1(-45.8,18.145) 2(-45.4,18.145) 3(-45,18.145) 4(-44.6,18.145) 5(-44.2,18.145) 6(-43.8,18.145) 7(-43.4,18.145) 8(-43,18.145) 9(-42.6,18.145) 10(-42.2,18.145) 11(-41.8,18.145) 12(-41.4,18.145) 13(-41,18.145) 14(-40.6,18.145) 15(-40.2,18.145) 16(-45.8,20.855) 17(-45.4,20.855) 18(-45,20.855) 19(-44.6,20.855) 20(-44.2,20.855) 21(-43.8,20.855) 22(-43.4,20.855) 23(-43,20.855) 24(-42.6,20.855) 25(-42.2,20.855) 26(-41.8,20.855) 27(-41.4,20.855) 28(-41,20.855) 29(-40.6,20.855) 30(-40.2,20.855)
  rect 0.7x1 on Mech2 mask+0.07: 1(-45.15,-29.95) 5(-40.85,-29.95)
  rect 0.65x0.5 on Mech2 mask+0.05: 1(-8.05,30.88) 2(-8.05,28.28) 3(-6.75,30.88) 4(-6.75,28.28) 5(-5.45,30.88) 6(-5.45,28.28)
  rect 0.9x1 on Mech2 mask+0.07: 2(-45.05,-28.35) 4(-40.95,-28.35)
  rect 1.7x0.55 on Mech2 mask+0.07: 3(-43,-27.725)
  rect 2.2x1.05 on Mech2: GND(-13.8,-27.975) GND(-13.8,-25.025)
  rect 1x1 on Mech2: SIG(-15.3,-26.5)
  round 1 on Mech2 mask+0.07: TP(-62.5,-15.5) TP(-62.5,-13) TP(-62.5,-10.5) TP(-39.3,-20) TP(-36.2,1.3) TP(-35.8,16.5) TP(-28.2,-14.1) TP(-28,3.1) TP(-22.2,-15.7) TP(-18.2,25.1) TP(-15.1,-16)
  oval 4x2 hole 2 slot 4 at 0 deg unplated mask+0.07: ZIP(-178.5,2.5) ZIP(-178.5,12.5) ZIP(-105.5,17.5) ZIP(-105.5,27.5)

## Via types
v1: diameter 0.5, hole 0.25, L1 to L6, tented both sides, 328 vias
v2: diameter 0.5, hole 0.25, L1 to L6, 6 vias